# KiCad board pedalboard-hw.kicad_pcb (continued)
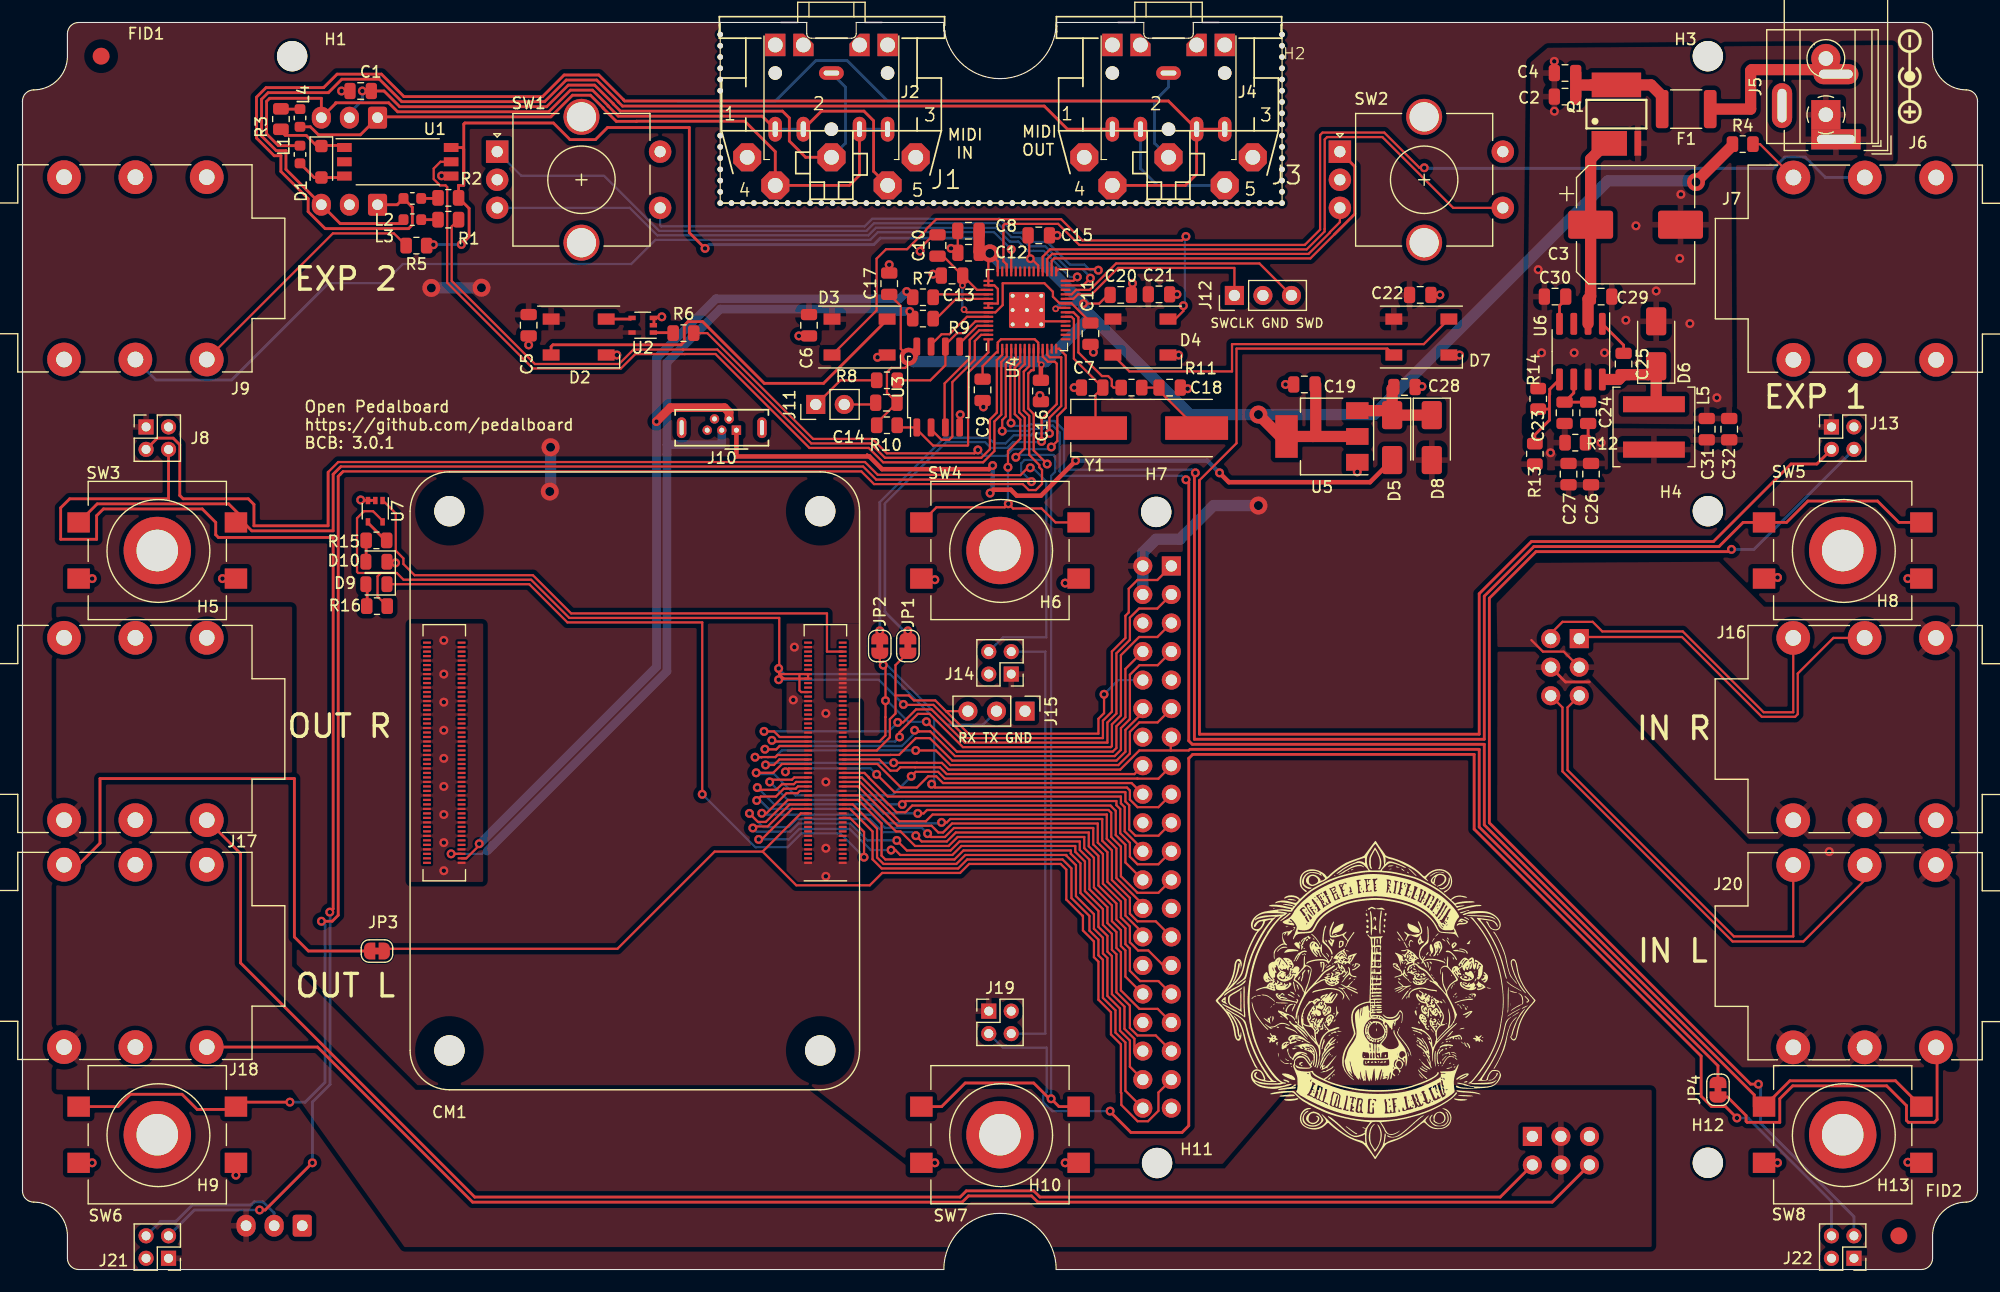
[diagram p0: board, top side]
## Routing (per net, layer and track width the routed paths; a pad name or vN(x,y) marks a point on that pad's centre or on a via; arc(x,y) is an arc through that point) (continued)
/Power Supply/ph: length 8.2
  Top w1: 145.4,77.22 D6.1 144.65,79.65 C25.2 142.07,79.22 140.9,79.22
/Power Supply/polarity_checked: length 16.7
  Top w1: 140.97,100.24 139.57,98.84 C3.1 139.57,86.62 C29.2 139.34,86.38 139.34,84.17
/Power Supply/unfused: length 14.2
  Top w1: F1.1 153.81,103.29 153.81,106.71 153.9,106.8 161,106.8
Net-(C18-Pad1): length 6.3
  Top w0.2: Y1.2 101.15,78.25 ; C18.1 R11.2
Net-(C24-Pad1): length 1.4
  Top w0.25: C24.1 139.34,73.94
Net-(D1-A): length 4.5
  Top w0.25: 26.2,97.2 28.12,97.2 28.25,97.33 ; D1.2 25.96,97.2 L1.2
Net-(D1-K): length 5.7
  Top w0.25: 28.25,99.87 28.07,100.05 26.75,100.05 ; 26.2,100 25.25,100.95 23.39,100.95 22.75,101.59
Net-(D2-DIN): length 2.3
  Top w0.25: 54.23,84.71 54.12,84.6 D2.2
Net-(D2-DOUT): length 37
  Top w0.25: 76.95,84.53 71.3,78.88 66.02,78.88 60.53,84.38 59.24,84.38 58.9,84.04 58.9,82.6 58.61,82.31 47.21,82.31 47.05,82.15 D2.4
Net-(D3-DOUT): length 47.9
  Top w0.2: v1(103.32,85.79) 103.32,85.32 102.6,84.6 ; v1(103.55,91.95) 103.2,91.6 94.33,91.6 92.44,93.49 81.33,93.49 80.42,92.58 80.42,92.5 78.73,90.82 76.86,90.82 76.02,89.97 76.02,85.37 D3.4
  Bottom w0.2: v1(103.55,91.95) 103.45,91.85 103.45,85.92 v1(103.32,85.79)
Net-(D4-DOUT): length 33.9
  Top w0.2: D7.2 124.72,82.37 107.65,82.37 107.65,79.94 98.51,79.94 D4.4
Net-(D7-DOUT): length 124
  Top w0.2: D7.4 121.48,81.97 108.05,81.97 108.05,73.55 104.75,70.25
  Top w0.25: 104.75,70.25 104.75,47.65 129.65,47.65 129.65,60.15 134.3,64.8 150.5,64.8 157.4,71.7 159.7,71.7 J13.3
Net-(D9-A): length 2
  Top w0.25: 30.68,60.7 30.68,58.66
Net-(D10-A): length 1.9
  Top w0.25: 30.59,64.8 30.59,62.92
Net-(J7-PadT): length 4.8
  Top w0.2: R4.2 154.65,100.17 J7.T
Net-(J9-PadT): length 22.8
  Top w0.2: J9.T 27.62,92.22 33.06,92.22 R5.2
Net-(J13-Pin_4): length 108.5
  Top w0.25: v1(154.5,16.5) 153.81,16.5 130.55,39.76 130.55,59.75 134.7,63.9 151.9,63.9 v1(152.1,64.1)
  Bottom w0.25: J13.4 154.1,64.1 v1(152.1,64.1) ; J22.3 163,4.7 154.7,13 154.7,16.3 v1(154.5,16.5)
Net-(J14-Pin_3): length 40.1
  Bottom w0.2: J14.3 91.04,55 91.04,21 J19.4
Net-(J14-Pin_4): length 113.5
  Top w0.2: v1(89.7,71.36) 89.47,71.36 88.82,70.71 86.32,70.71 86.29,70.74 76.12,70.74 74.98,71.88 28.1,71.88 27.2,70.97
  Top w0.25: 27.2,70.97 27.2,66.2 20.6,66.2 20.6,68.1 20.1,68.6 14.3,68.6 14,68.9 14,73.41 13.41,74 12,74 J8.3
  Bottom w0.2: J14.4 87.27,56.27 91.12,56.27 91.12,70.13 89.9,71.36 v1(89.7,71.36)
Net-(J19-Pin_3): length 140.6
  Top w0.25: v1(152.59,13.49) 151.58,14.5 150.33,14.5 149.4,15.43 149.4,19 129.2,39.2 129.2,45.85 104.15,45.85 103.8,45.5 103.8,12.8 103.2,12.2 98.65,12.2 96.8,14.05 v1(96.8,14.1)
  Bottom w0.2: v1(96.8,14.1) 91.66,14.1 90.85,14.91 90.85,15.49 91.15,15.79 91.15,19.75 87.25,19.75 J19.3
  Bottom w0.25: v1(152.59,13.49) 153.58,13.49 161,6.06 J22.4
Net-(J21-Pin_3): length 117.4
  Top w0.25: v1(25.8,9.5) 21.6,5.3 v1(21.1,5.3) ; v1(27.35,31.81) 27.65,32.11 27.65,65.16 17.44,65.16 17.2,65.4 17.2,66.5 16,67.7 7.2,67.7 6.6,67.1 6.6,65 3.4,65 3.4,67.8 4.2,68.6 13,68.6 J8.4
  Bottom w0.25: v1(25.8,9.5) 25.8,14.9 27.38,16.48 27.38,31.78 v1(27.35,31.81) ; v1(21.1,5.3) 15.3,5.3 J21.3
Net-(J21-Pin_4): length 14.2
  Bottom w0.25: J21.4 12.29,4.29 13.66,4.29 15.11,5.75 20.35,5.75 20.62,6.03 21.4,6.03 22.4,5.03 J26.2
Net-(J23-Pin_1): length 63.8
  Top w0.25: J2.RN 74.49,97.39 73.6,96.5 J1.4 67,99.5 64.29,102.21 54.66,102.21 54.65,102.2 52.85,102.2 51.67,103.38 51.67,103.4 50.55,104.53 48.95,104.53 47.03,102.6 31.55,102.6 ; 24.5,101.71 25.63,101.71 26.34,101 30.08,101 J23.1
  Bottom w0.25: J2.RN J2.R
Net-(J23-Pin_2): length 58.6
  Top w0.25: v1(30.25,104.9) C1.1 32.18,104.9 33.58,103.5 46.65,103.5 48.58,105.42 50.92,105.42 52.58,103.77 52.58,103.75 53.21,103.11 67.64,103.11 68.25,102.5 68.25,100.45 69.7,99 J1.2
  Bottom w0.25: v1(30.25,104.9) 30.25,104.07 28.7,102.53 ; J2.S 73.25,105.24 73.25,100.25 J1.2
Net-(J23-Pin_3): length 72.6
  Top w0.25: J2.T 65.83,102.66 53.03,102.66 52.12,103.56 52.12,103.58 50.73,104.97 48.77,104.97 46.84,103.05 33.39,103.05 32.59,103.85 27.88,103.85 27.88,103.8 J23.3 26.6,104.25 22,104.25 21.73,103.97 21.73,101.09 22.77,100.04 L1.1 ; J1.5 75.75,97.75 75.75,102.25 74.89,103.11 71.1,103.11 J2.TN
  Bottom w0.25: J2.T J2.TN
Net-(J24-Pin_1): length 130.3
  Top w0.25: J3.4 103.5,96.5 104.5,97.5 J4.RN ; J4.RN 101.99,104.01 53.59,104.01 53.47,104.12 53.47,104.14 51.29,106.33 48.21,106.33 46.28,104.4 33.95,104.4 31.95,106.4 28,106.4 26.8,105.2 21.68,105.2 20.83,104.35 20.83,100.71 22.4,99.14 23,99.14 23,97.74 25.42,95.31 25.42,94.16 26.94,92.65 34.36,92.65 34.7,92.99 34.7,94.55 L2.1 33.35,94.78 J24.1 ; J4.RN J4.R
Net-(J24-Pin_3): length 114
  Top w0.25: 33.71,93.25 33.56,93.1 28.27,93.1 23.45,97.92 23.45,99.58 23.44,99.59 22.59,99.59 21.27,100.9 21.27,104.16 21.86,104.75 27.22,104.75 28.42,105.95 31.76,105.95 33.76,103.95 46.47,103.95 48.39,105.88 51.11,105.88 53.03,103.96 53.03,103.93 53.4,103.56 90.94,103.56 93,101.5 J4.T J4.TN
  Bottom w0.25: J4.TN 99.5,98 101,96.5 J3.5
Net-(J25-out_L): length 130.6
  Top w0.25: J25.52 136.15,6 90.36,6 89.81,6.55 84.19,6.55 83.64,6 40.06,6 26.26,19.8 J18.T
Net-(J25-out_R): length 139.2
  Top w0.25: 16.44,40 19.41,37.02 19.41,27.29 40.25,6.45 83.45,6.45 84,7 90,7 90.55,6.45 131.52,6.45 J25.48
Net-(JP1-B): length 39.4
  Top w0.2: U4.11 90.8,81.26 91.26,80.8 91.88,80.8 92.05,80.63 92.05,77.03 90.7,75.68 90.7,74.42 v1(90.7,73.71)
  Top w0.25: v1(78.8,56.85) 78.8,56.2
  Bottom w0.2: v1(90.7,73.71) 90.64,73.65 88.18,73.65 87.66,73.13 86.19,73.13 85.67,73.65 82.22,73.65 76.75,68.18 76.75,68.11
  Bottom w0.25: v1(78.8,56.85) 78.45,56.85 76.75,58.55 76.75,68.11
Net-(JP2-B): length 39.3
  Top w0.2: U4.12 91.2,81.43 91.43,81.2 92.45,81.2 92.45,76.87 91.4,75.82 v1(91.4,74.43)
  Top w0.25: v1(76.3,56.85) 76.3,56.2
  Bottom w0.2: v1(91.4,74.43) 89.93,74.43 89.76,74.25 88.22,74.25 87.5,73.53 86.49,73.53 85.97,74.05 82.05,74.05 76.3,68.3
  Bottom w0.25: 76.3,68.3 v1(76.3,56.85)
Net-(JP3-A): length 48.3
  Top w0.25: 3.7,36.2 5.15,36.2 6.9,37.95 6.9,43.7 24.2,43.7 24.2,29.6 25.45,28.35 JP3.1
Net-(JP4-A): length 31.8
  Top w0.25: 170.4,19.67 170.4,13.35 170.15,13.1 167.85,13.1 167.68,13.28 167.68,14.59 165.91,16.35 157.55,16.35 156.4,15.2 156.4,13.1 153.5,13.1 153.4,13.2 153.4,13.7 151.75,15.35 JP4.1
Net-(L2-Pad2): length 1.5
  Top w0.25: 35.39,95.34 36.94,95.34
Net-(L3-Pad2): length 1.4
  Top w0.25: 36.89,93.45 L3.2
Net-(L4-Pad2): length 1.6
  Top w0.25: 24.5,103.29 22.88,103.29
Net-(U2-A): length 1.7
  Top w0.25: 56.17,83.39 57.87,83.39
Net-(U4-USB_DM): length 4.9
  Top w0.2: U4.46 81.09,86.8
Net-(U4-USB_DP): length 5.4
  Top w0.2: 81.33,84.64 83.09,86.4 U4.47
Net-(U6-BOOT): length 3.4
  Top w0.25: U6.1 142.5,82.28 C25.1
Net-(U6-COMP): length 4.5
  Top w0.25: U6.6 138.06,78.03 C23.2 C24.2
Net-(U6-SS): length 2.4
  Top w0.25: U6.4 136.79,85.8 137.35,86.35
Net-(U6-VSENSE): length 7.5
  Top w0.25: R14.1 135.79,76.59 ; U6.5 135.93,78.35 135.93,77.91 135.9,77.89 135.9,75.6 134.6,74.3 R13.2
Net-(U7-Y): length 2.4
  Top w0.25: 30.74,66.47 32.41,64.8

## Copper pours and planes (outline as drawn; the poured copper is in the pictures)
+5VP on Top: 71.5,57.5 74.5,57.5 74.5,50.85 71.5,50.85
+5VP on Top: 40.01,111 0,111 0.01,0.01 174.01,0.01 174.01,111.01 112,111.01 112,95 62,95 62,111.01
/Audio/GND_in_L on Top, Bottom: 139.8,52.15 137.15,55 131.27,55 131.25,40 153,18 172,18 172,37.9 153.5,37.9
/Audio/GND_in_R on Top, Bottom: 137.15,55 131.27,55 131.2,59.3 134.7,62.9 151,63 155,59 172,59 172,37.9 153.5,37.9 139.8,52.15 138,53
/Audio/GND_out on Top, Bottom: 34,2 24,16 3,16 3,59 24,59 24,27 35,16 70,16 79,9 107,9 113,16 145,16 145,2
GND on Top: 34.5,57.5 34.5,34.5 41,34.5 41,57.5
GND on Top: 68,57.5 68,34.5 74.5,34.5 74.5,50.5 71.5,50.5 71.5,57.5
GND on Top: 166.5,109 135.75,108.75 134.22,107.45 133.8,71.1 141.1,71.2 141.1,75.3 152.2,75.2 152.1,98.7 166.5,98.7
GND on Bottom: 0,111 0,0 174,0 174,111 112,111 112,95 62,95 62,111

## Text on the board
B.Silkscreen: +5V | Data out | GND | LED OUT | IN | OUT | ${TITLE} / ${COMPANY} / BCB: ${REVISION} | in | VREF | MIDI
F.Silkscreen: SWCLK GND SWD | RX TX GND | ${TITLE} / ${COMPANY} / BCB: ${REVISION} | MIDI / IN | MIDI / OUT | OUT R | EXP 2 | OUT L | IN R | IN L | EXP 1
